# KiCad board BUDDY_v1.0.0.kicad_pcb (continued)
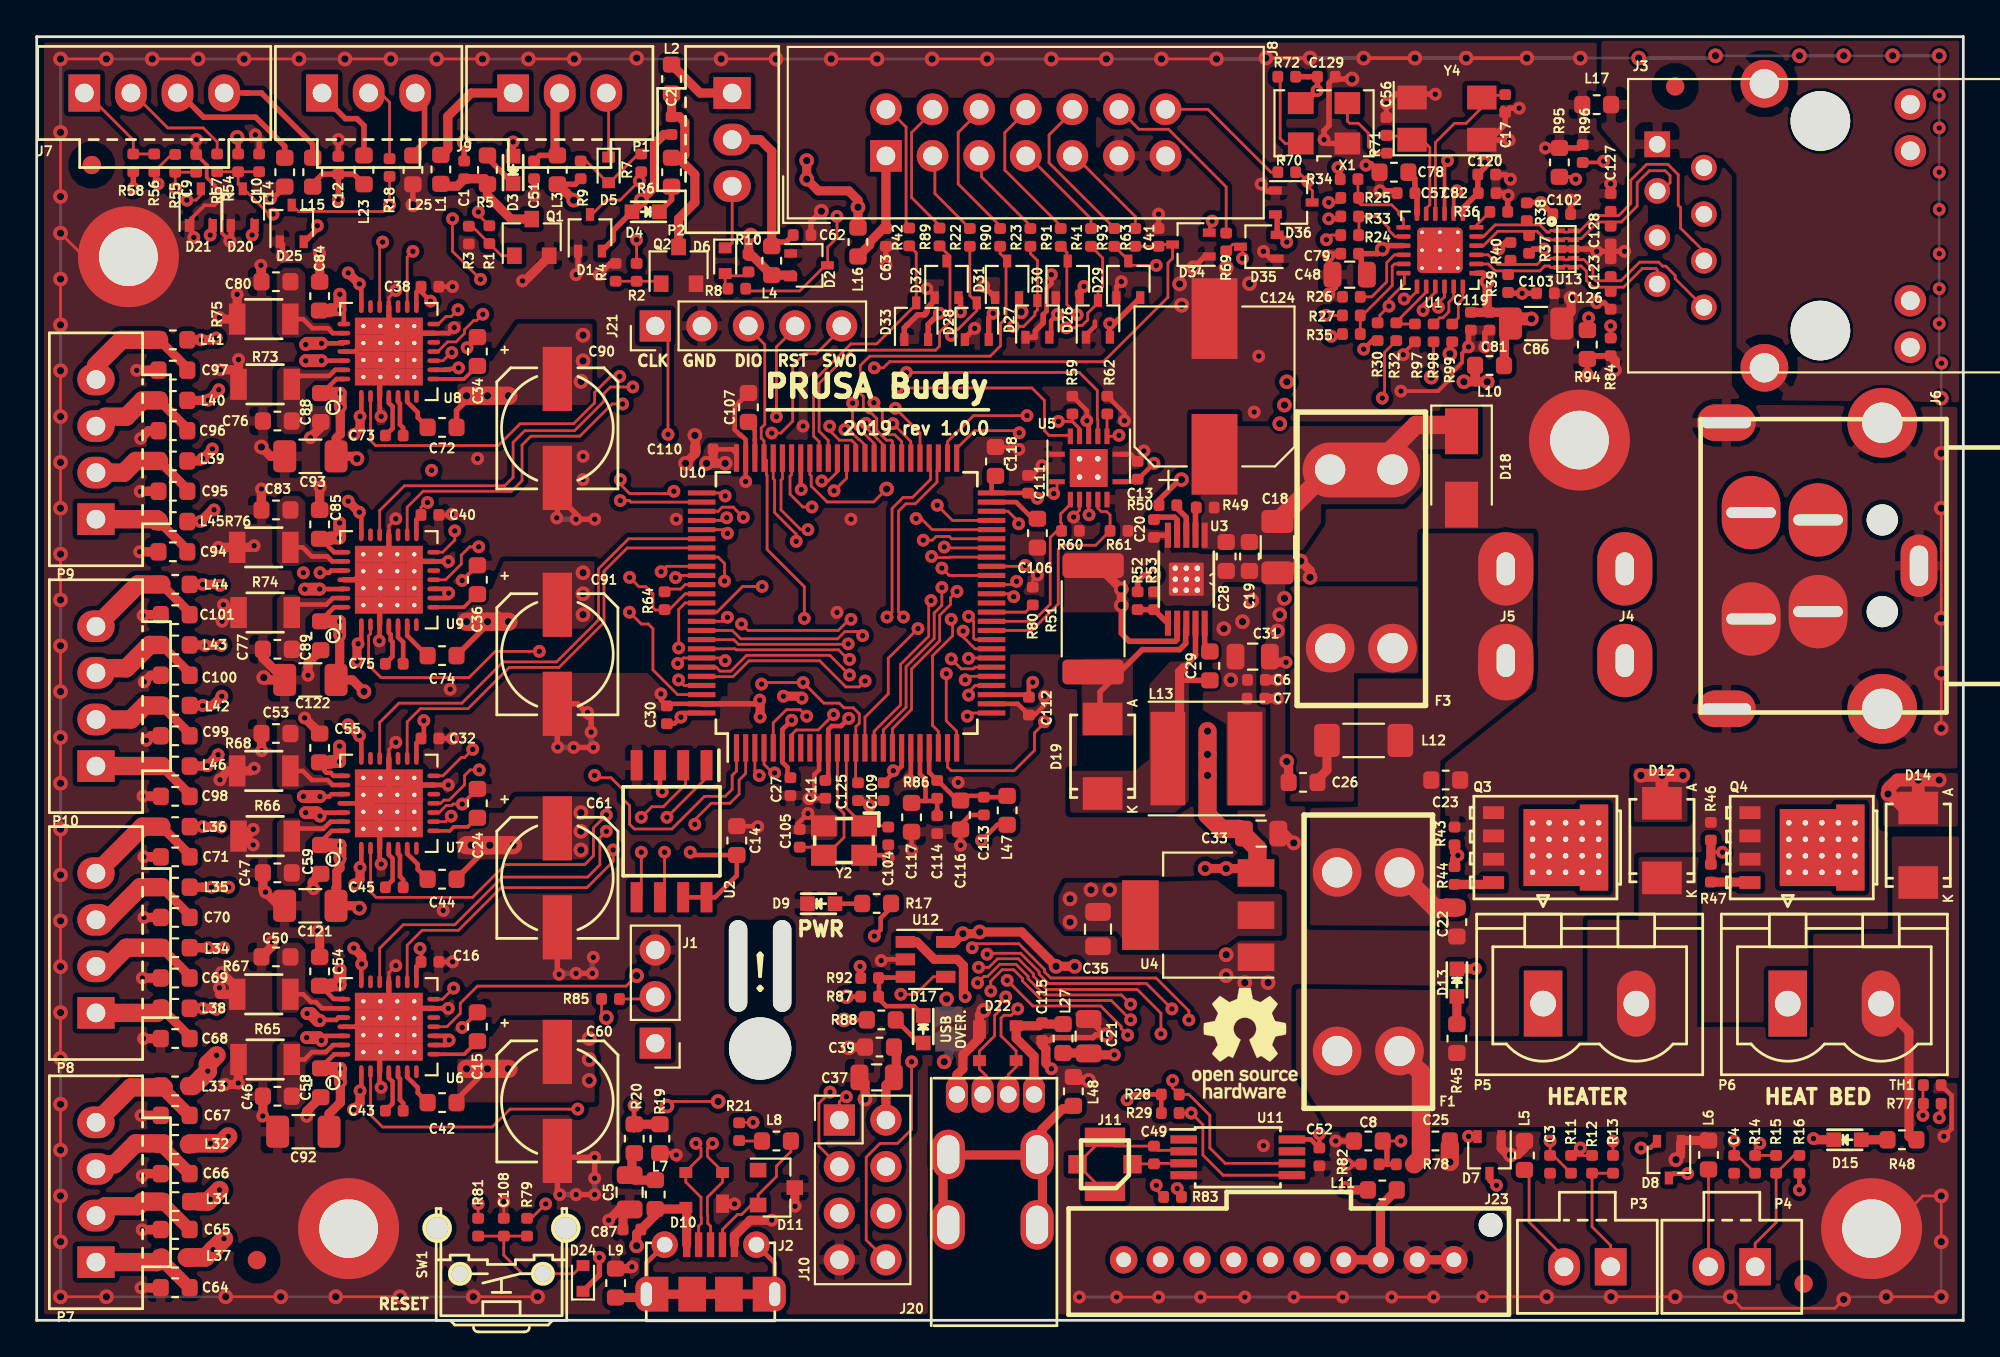
[diagram p0: board, top side]
## Routing (per net, layer and track width the routed paths; a pad name or vN(x,y) marks a point on that pad's centre or on a via; arc(x,y) is an arc through that point) (continued)
  In4.Cu w0.15: v2(56.1,54.12) 53.99,54.12 53.5,53.62 51.89,53.62 49.77,51.51 49.77,50.67 49.33,50.23 49.33,48.18 48.5,47.35 48.5,43.81 49.46,42.85 v2(49.46,42.17)
/PERIPHERALS/MISO2: length 43.7
  Top w0.15: v2(49.33,39.96) 49.33,38.99 48.91,38.57 48.91,37.18 47.38,35.65 47.38,33.44 46.14,32.19 U10.17 ; R69.1 65.18,58.67 65.72,58.67 v2(65.72,57.91)
  In4.Cu w0.15: v2(49.33,39.96) 50.13,40.76 50.13,42.93 49.93,43.13 49.93,49.98 50.37,50.42 50.37,51.26 52.14,53.02 53.75,53.02 53.96,53.24 58.31,53.24 60.38,55.31 60.38,57.91 60.73,58.26 65.37,58.26 v2(65.72,57.91)
/PERIPHERALS/MOSI2: length 38.8
  Top w0.15: R93.1 59.49,57.81 59.49,57.55 59.51,57.53 v2(61.02,57.53) ; U10.18 46.64,32.27 47.68,33.31 47.68,35.52 49.21,37.05 49.21,38.45 49.8,39.04 49.8,39.4 v2(50.15,39.75)
  In4.Cu w0.15: v2(61.02,57.53) 60.76,57.28 60.76,55.26 58.44,52.94 54.08,52.94 53.87,52.72 52.26,52.72 50.67,51.13 50.67,50.3 50.23,49.86 50.23,43.25 50.43,43.05 50.43,40.52 50.15,40.24 v2(50.15,39.75)
/POWER/BED_MON: length 50.2
  Top w0.15: v2(50.72,32.95) 50.89,33.12 U10.26 ; v2(74.35,9.78) C8.1
  Top w0.3: C8.1 73.59,9.55 73.59,8.51 ; 74.1,8.51 R82.1
  In4.Cu w0.15: v2(74.35,9.78) 75.98,11.41 75.98,25.8 74.86,26.92 56.44,26.92 53.49,29.88 53.49,30.93 51.47,32.95 v2(50.72,32.95)
/Trinamic driver/E-Diag: length 24.1
  Top w0.15: v2(31.81,44.7) 32.3,44.7 32.38,44.62 U10.77 ; U8.11 21.87,52.83 22.39,53.35 22.86,53.35 23.32,53.82 23.32,54.02 23.81,54.51 23.96,54.51 v2(24.31,54.86)
  In4.Cu w0.15: v2(31.81,44.7) 27.87,44.7 26.65,45.93 26.65,53.29 25.08,54.86 v2(24.31,54.86)
/Trinamic driver/E-DIR: length 41.2
  Top w0.15: U10.55 48.14,48.39 v2(46.8,49.73) ; U8.19 18.69,58.64 v2(18.85,58.8)
  In4.Cu w0.15: v2(46.8,49.73) 46.5,50.03 46.5,50.44 46.27,50.67 46.27,51.29 46.52,51.54 46.52,53.65 42.17,58 21.9,58 20.75,59.15 19.2,59.15 v2(18.85,58.8)
/Trinamic driver/E-EN: length 36.7
  Top w0.15: v2(45.63,50.04) 46.08,49.59 46.08,48.65 46.44,48.29 46.76,48.29 47.14,47.92 U10.57 ; v2(31.78,51.47) 31.28,51.47 30.41,50.6 30.41,50.04 29.27,48.89 26.34,48.89 25.15,47.7 18.47,47.7 18.2,47.97 18.2,49.88 18.19,49.88 U8.2
  In4.Cu w0.15: v2(31.78,51.47) 32.13,51.82 44.06,51.82 45.63,50.25 v2(45.63,50.04)
/Trinamic driver/E-Step: length 38.1
  Top w0.15: U10.56 47.64,47.92 46.66,48.9 v2(46.66,48.9) ; v2(20.5,58.29) 20.19,57.98 U8.16
  In4.Cu w0.15: v2(46.66,48.9) 46.2,49.35 46.2,50.32 45.97,50.55 45.97,51.41 46.22,51.67 46.22,53.53 42.05,57.7 21.09,57.7 v2(20.5,58.29)
/Trinamic driver/MOT-UART: length 66
  Top w0.15: v2(23.76,31.13) 23.32,30.69 23.14,30.69 22.14,29.69 U7.14 ; v2(22.96,55.1) 22.59,54.73 22.3,54.73 21.9,54.33 U8.14 ; v2(22.78,43.05) 22.78,42.55 22.12,41.88 U9.14 ; U10.87 35.34,39.62 34.46,38.73 33.71,38.73 33.58,38.86 33.58,39.62 33.2,40 32.82,40 v2(32.31,40.51) ; U6.14 22.12,17.51 v2(22.72,18.11)
  In4.Cu w0.15: 25.67,44.52 25.67,44.36 27.15,42.88 29.94,42.88 v2(32.31,40.51) ; 25.67,44.52 24,44.52 23.03,43.55 23.03,43.3 v2(22.79,43.05) 22.78,42.56 23.02,42.32 23.02,41.55 23.76,40.81 23.76,39.84 22.79,38.86 22.79,36.58 23.76,35.6 v2(23.76,31.13) 23.41,30.78 23.41,29.9 23.76,29.55 23.76,27.81 22.42,26.46 22.42,25.48 23.76,24.13 23.76,19.16 v2(22.72,18.11) ; 25.67,44.52 26.34,45.19 26.34,52.83 24.95,54.23 23.84,54.23 v2(22.96,55.1)
BED-HEAT-5V: length 53.3
  Top w0.15: U5.11 57.33,43.95 v2(57.35,43.93) ; v2(91.88,25.53) 91.24,25.53
  Top w0.5: R46.1 R47.1
  In4.Cu w0.15: v2(57.35,43.93) 57.35,29.7 58.48,28.57 88.83,28.57 v2(91.88,25.53)
FAN-0-5V: length 42.4
  Top w0.15: v2(47.4,51.69) 56.82,51.69 57.8,50.71 57.8,49.12 57.83,49.09 U5.3 ; 24.87,59.67 24.69,59.67 ; R1.1 24.07,60.29
  In4.Cu w0.15: v2(24.07,60.44) 24.7,59.81 41.22,59.81 47.4,53.62 v2(47.4,51.69)
FAN-1-5V: length 32
  Top w0.15: v2(46.92,50.84) 54.24,50.84 54.92,50.16 54.92,48.51 55.17,48.26 56.32,48.26 ; v2(32.7,58.93) 32.7,58.43 32.69,58.43 R2.1
  In4.Cu w0.15: v2(46.92,50.84) 46.92,51.34 46.82,51.43 46.82,53.77 42.3,58.3 33.32,58.3 v2(32.7,58.93)
HEAT-0-5V: length 43.9
  Top w0.15: v2(55.43,45.08) 55.61,45.26 U5.8
  Top w0.5: R44.1 77.27,25.15 77.48,25.35 v2(77.45,25.35) 77.27,25.53 R43.1
  In4.Cu w0.15: v2(55.43,45.08) 55.17,44.83 55.17,40 53.27,38.1 53.27,32.85 54.69,31.43 54.69,30.37 56.87,28.19 76,28.19 77.45,26.74 v2(77.45,25.35)
USB-FS_N: length 48.1
  Top w0.15: v2(35.93,9.65) 36.2,9.38 36.2,8.94 35.38,8.11 D10.3 35.38,7.54 36.2,6.71 36.2,5.61 36.22,5.59 36.22,5.29 36.07,5.14 J2.2 ; U10.70 40.64,45.89 40.57,45.82 40.57,44.19 41.64,43.12 v2(42.03,43.12)
  In4.Cu w0.15: v2(42.03,43.12) 41.14,43.12 40.52,42.5 40.52,37.54 36.97,33.98 36.97,22.8 36.46,22.3 36.46,14.8 35.69,14.04 35.69,10.59 36.2,10.09 36.2,9.93 v2(35.93,9.65)
USB-FS_P: length 47.1
  Top w0.15: v2(41.39,42.48) 41.39,42.87 40.22,44.05 40.22,45.82 40.14,45.89 U10.71 ; v2(36.83,9.65) 36.55,9.38 36.55,8.94 37.38,8.11 D10.2 37.38,7.54 36.55,6.71 36.55,5.75 36.57,5.73 36.57,5.29 36.72,5.14 J2.3
  In4.Cu w0.15: v2(36.83,9.65) 36.55,9.93 36.55,10.23 36.05,10.74 36.05,13.9 36.81,14.66 36.81,22.15 37.31,22.66 37.31,33.84 40.87,37.39 40.87,42.34 41.08,42.54 41.33,42.54 v2(41.39,42.48)
USB-HS_N: length 41.8
  Top w0.15: 52.95,12.51 J20.2 52.95,13.4 53.38,13.83 D22.3 53.38,14.69 52.56,15.51 52.56,16.48 52.71,16.63 53.12,16.63 v2(53.47,16.98) ; v2(47.24,38.35) 46.97,38.63 46.97,44.12 47.37,44.53 47.88,44.53 49.07,45.71 49.07,46.33 49.14,46.41 U10.53
  In4.Cu w0.15: v2(47.24,38.35) 46.97,38.08 46.97,37.28 48.11,36.14 48.11,34.49 50.29,32.3 51.69,32.3 53.19,30.81 53.19,29.66 54.46,28.39 54.46,18.33 53.47,17.34 v2(53.47,16.98)
USB-HS_P: length 41.8
  Top w0.15: 51.75,13.33 51.75,12.51 J20.3 ; 51.75,13.33 51.38,13.7 D22.2 51.38,14.69 52.21,15.51 52.21,16.62 52.46,16.88 52.46,17.28 v2(52.81,17.63) ; 51.75,13.33 51.75,13.21 ; v2(46.34,38.35) 46.62,38.63 46.62,44.27 47.23,44.88 47.74,44.88 48.72,45.86 48.72,46.33 48.64,46.41 U10.54
  In4.Cu w0.15: v2(52.81,17.63) 52.96,17.78 53.4,17.78 54.11,18.49 54.11,28.25 52.84,29.52 52.84,30.66 51.55,31.95 50.15,31.95 47.76,34.34 47.76,35.99 46.62,37.14 46.62,38.08 v2(46.34,38.35)
Net-(C1-Pad1): length 6.7
  Top w0.5: 24.69,61.74 24.69,61.97 24.42,62.25 23.32,62.25 22.92,61.85 22.03,61.85 ; R5.1 24.57,61.34 25.85,60.05 Q1.3
Net-(C2-Pad1): length 10.8
  Top w0.5: L2.1 C2.1 35.02,65.63 35.32,65.33 35.32,63.54 35.18,63.4 R6.1 34.63,63.37 34.98,63.37 35.87,62.48 35.87,60.96 34.98,60.07 34.98,58.42
Net-(C5-Pad1): length 2.8
  Top w0.5: 32.44,9.12 32.44,8.05 C5.1 32.59,7.64 L7.1
Net-(C15-Pad2): length 2.7
  Top w0.2: C15.2 23.3,14.51 22.19,14.51 22.19,14.51 U6.8
Net-(C17-Pad1): length 9.2
  Top w0.15: 78.76,66.62 78.76,66.13 77.91,65.28 77.27,65.28 76.23,64.23 U1.4 ; 80.19,66.8 79,66.8 78.79,66.59
Net-(C20-Pad1): length 2
  Top w0.3: 62.15,42.81 62.15,43.65 62,43.8 61.06,43.8 61.05,43.81
Net-(C21-Pad1): length 18.8
  Top w0.5: L27.1 57.31,14.58 C21.1 57.41,14.48 v2(58.73,14.48) ; 47.34,20.63 47.97,20.63 48.92,19.68 50.17,19.68 50.51,19.35 50.51,17.75 v2(50.6,17.65)
  In4.Cu w0.5: v2(50.6,17.65) 50.6,15.87 52,14.48 v2(58.73,14.48)
Net-(C24-Pad2): length 2.7
  Top w0.2: 23.98,27.4 23.49,26.91 22.73,26.91 22.51,26.69 21.61,26.69
Net-(C26-Pad1): length 2.4
  Top w0.5: L12.2 70.32,30 69.78,29.46
Net-(C29-Pad1): length 1.7
  Top w0.3: C29.1 63.65,36.76 U3.10
Net-(C29-Pad2): length 9.6
  Top w0.3: 62.5,35.59 63.15,36.24 U3.9 ; C29.2 62.39,34.9 62.29,34.8
  Top w0.5: 61.95,30.63 62.29,30.97 62.29,35.37 62.5,35.59
Net-(C34-Pad2): length 2.7
  Top w0.2: 24,52.04 23.29,51.33 22.18,51.33 22.18,51.33 21.63,51.33
Net-(C36-Pad2): length 2.7
  Top w0.2: 21.62,38.89 22.17,38.89 22.17,38.88 23.28,38.88 23.99,39.6
Net-(C42-Pad2): length 2.1
  Top w0.25: U6.6 20.19,13.27 20.77,12.69 20.77,12.41 C42.2
Net-(C43-Pad1): length 2.4
  Top w0.25: U6.4 19.19,13.21 19.4,13 19.4,11.82 C43.1
Net-(C43-Pad2): length 2.2
  Top w0.25: C43.2 19.97,11.85 19.8,12.02 19.8,13.17 19.69,13.27 U6.5
Net-(C44-Pad2): length 2.1
  Top w0.25: 20.19,25.74 20.19,25.45 20.77,24.87 20.77,24.59 21.31,24.05
Net-(C45-Pad1): length 2.4
  Top w0.25: 19,23.61 19.4,24 19.4,25.18 19.19,25.39 19.19,25.74
Net-(C45-Pad2): length 2.2
  Top w0.25: 19.97,23.61 19.97,24.03 19.8,24.2 19.8,25.35 19.69,25.45 19.69,25.74
Net-(C46-Pad1): length 3.2
  Top w0.25: R65.2 14.6,14.22 15,14.63 15.77,14.63 16.15,15.01 U6.27
Net-(C47-Pad1): length 3.2
  Top w0.25: 16.72,27.19 16.01,27.19 15.64,26.82 14.29,26.82 13.88,26.4
Net-(C49-Pad1): length 8.2
  Top w0.15: 56.47,8.48 56.47,8.51 ; 62.51,9.21 62.46,9.27 61.12,9.27 C49.1 ; 56.82,8.51 56.82,8.89 ; 57.08,8.89 58.17,9.98 ; 61.14,9.5 58.7,9.5 ; 58.17,7.03 56.72,8.48
Net-(C49-Pad2): length 3.1
  Top w0.15: C49.2 60.92,8.56 62.51,8.56 62.46,8.51 ; 59.49,8.53 59.47,8.51 ; 61.14,8.53 59.75,8.53
Net-(C50-Pad1): length 3.2
  Top w0.25: R67.2 14.53,17.78 14.95,17.36 15.21,17.36 15.55,17.01 U6.23
Net-(C51-Pad1): length 4.9
  Top w0.3: L3.2 27.41,63.52 C51.1
  Top w0.5: 28.25,63.52 28.25,66.67 P1.2
Net-(C53-Pad1): length 3.2
  Top w0.25: 16.72,29.19 16.12,29.19 15.85,29.46 15,29.46 14.5,29.96 13.81,29.96
Net-(C56-Pad1): length 7.7
  Top w0.15: 73.56,64.58 74.95,64.58 74.96,64.57 ; 74.32,64.08 74.81,64.57 74.96,64.57 ; 74.96,64.57 75.58,64.57 ; 74.96,64.32 75.56,64.32 75.93,63.96 75.93,60.84 75.75,60.66 75.75,60.36 U1.5 ; 73.55,64.62 C56.1
Net-(C57-Pad1): length 2.7
  Top w0.3: C78.1 75.11,62.25 C57.1 75.23,61.35 U1.6 75.23,60.59
Net-(C62-Pad1): length 8.9
  Top w0.3: L4.2 40.21,58.57 40.44,58.8 40.85,58.8 C62.1
  Top w0.5: 38.03,64.39 39.43,64.39 40.06,63.75 L4.2
Net-(C63-Pad1): length 6.3
  Top w0.5: C63.1 46.13,59.54 45.4,58.8 45.4,58.65 L16.2 ; 46.28,63.75 46.28,59.67
Net-(C64-Pad2): length 5.9
  Top w0.7: C64.2 6.8,3.32 6.8,3.39
  Top w1: P7.1 6.55,3.17 6.8,3.43
Net-(C65-Pad2): length 6
  Top w0.7: C65.2 6.82,6.47 6.82,6.47
  Top w1: 6.8,6.48 5.77,6.48 5.52,6.22 3.74,6.22 P7.2
Net-(C66-Pad2): length 6.5
  Top w0.7: C66.2 6.8,9.54 6.8,9.59
  Top w1: 6.93,9.65 5.39,9.65 4.25,8.51 3.48,8.51 P7.3
Net-(C67-Pad2): length 6.7
  Top w0.7: 6.8,12.78 6.8,12.72 C67.2
  Top w1: 6.93,12.7 5.14,12.7 P7.4
Net-(C68-Pad2): length 6
  Top w0.5: 6.8,17.02 8.34,15.48 C68.2
  Top w1: P8.1 6.55,16.76 6.8,17.02
Net-(C69-Pad2): length 6.3
  Top w0.5: 6.8,20.32 8.34,18.78 C69.2
  Top w1: P8.2 3.87,19.3 4.88,20.32 6.8,20.32
Net-(C70-Pad2): length 6.6
  Top w0.5: C70.2 8.34,22.08 6.8,23.62
  Top w1: 6.8,23.62 5.64,23.62 3.87,21.84 P8.3
Net-(C71-Pad2): length 6.9
  Top w0.5: 6.8,26.92 8.34,25.39 C71.2
  Top w1: P8.4 5.77,26.92 6.8,26.92
Net-(C72-Pad2): length 2.1
  Top w0.25: U8.6 20.19,50.09 20.77,49.51 20.77,49.23 C72.2
Net-(C73-Pad1): length 2.4
  Top w0.25: C73.1 19.4,48.64 19.4,49.82 19.19,50.03 U8.4
Net-(C73-Pad2): length 2.2
  Top w0.25: C73.2 19.97,48.67 19.8,48.84 19.8,49.99 19.69,50.09 U8.5
Net-(C74-Pad2): length 2.2
  Top w0.25: 21.31,36.25 21.27,36.25 20.19,37.33 U9.6
Net-(C75-Pad1): length 2.4
  Top w0.25: 19,35.81 19.39,36.2 19.39,36.99 19.29,37.09 19.29,37.41 19.19,37.5 U9.4
Net-(C75-Pad2): length 2.5
  Top w0.25: C75.2 19.97,36.98 19.69,37.26 U9.5 ; 19.79,35.99 19.97,35.81
Net-(C76-Pad1): length 3.2
  Top w0.25: 13.89,51.04 14.35,51.5 15.94,51.5 16.27,51.83 16.74,51.83
Net-(C77-Pad1): length 3.2
  Top w0.25: 16.71,39.39 16.14,39.39 15.79,39.04 14.3,39.04 13.86,38.6
Net-(C80-Pad1): length 3.2
  Top w0.25: 16.74,53.83 16.14,53.83 15.87,54.1 15.02,54.1 14.52,54.6 13.82,54.6
Net-(C83-Pad1): length 3.2
  Top w0.25: 13.79,42.15 14.49,42.15 14.99,41.66 15.84,41.66 16.11,41.39 16.71,41.39
Net-(C87-Pad1): length 31.2
  Top w0.5: J2.1 35.42,6.11 D10.4 35.29,6.07 L7.2 33.71,5.74 C87.1 32.69,4.72 v1(32.69,4.06)
  In4.Cu w0.5: v1(49.46,14.1) 49.46,13.53 48.17,12.24 48.17,8.42 46.88,7.13 35.2,7.13 32.69,4.63 v1(32.69,4.06)
  Bottom w0.5: JP1.1 49.71,14.35 v1(49.46,14.1)
Net-(C94-Pad2): length 5.8
  Top w0.5: 6.67,43.56 8.21,42.02 C94.2
  Top w1: 6.67,43.56 6.55,43.69 P9.1
Net-(C95-Pad2): length 6
  Top w0.5: C95.2 8.21,45.32 6.67,46.86
  Top w1: P9.2 4.75,46.23 5.39,46.86 6.67,46.86
Net-(C96-Pad2): length 6.3
  Top w0.5: C96.2 8.21,48.63 6.67,50.16
  Top w1: 6.67,50.16 5.77,50.16 4.88,49.27 3.74,49.27 P9.3
Net-(C97-Pad2): length 6.3
  Top w0.5: 6.67,53.47 8.21,51.93 C97.2
  Top w1: 3.23,52.07 4.63,53.47 6.67,53.47
Net-(C98-Pad2): length 5.9
  Top w0.5: C98.2 8.34,28.69 6.8,30.22
  Top w1: P10.1 6.8,30.22
Net-(C99-Pad2): length 6.2
  Top w0.5: 6.8,33.53 8.34,31.99 C99.2
  Top w1: P10.2 5.14,32.77 5.9,33.53 6.8,33.53
Net-(C100-Pad2): length 6.5
  Top w0.5: 6.8,36.83 8.34,35.29 C100.2
  Top w1: P10.3 3.48,35.56 4.88,35.56 6.15,36.83 6.8,36.83
Net-(C101-Pad2): length 6.8
  Top w0.5: C101.2 8.34,38.59 6.8,40.13
  Top w1: P10.4 5.52,40.13 6.8,40.13
Net-(C102-Pad1): length 33
  Top w0.3: R37.1 81.57,58.42 v2(82.17,58.42) ; v2(79.69,58.42) 80.04,58.78 R40.1 ; R39.1 80.24,56.01 v2(80.96,56.01) C103.1 ; C102.1 81.99,60.96 v2(81.97,60.96) 81.23,60.96 R38.1 ; U1.1 77.73,60.65 78.54,61.47 C120.1 78.92,62.86 v2(78.92,63.15) ; U1.19 78.84,57.1 78.92,57.02 78.92,56.77 v1(79.05,56.64) ; 80.19,54.74 80.32,54.61 80.06,54.35
  Top w0.5: C81.1 79.05,55.09 v1(79.05,56.64) ; C81.1 80.29,54.97 ; C81.1 C119.1 ; 80.19,54.35 79.99,54.15 79.99,51.94 ; 80.29,54.33 C86.1
  Top w0.7: v1(81.46,54.61) 80.57,54.61 C86.1
  In4.Cu w0.7: 82.73,59.56 86.82,59.56 87.33,59.05 J3.4 89.59,60.32 J3.5 ; v2(78.92,63.15) 78.67,62.9 78.67,57.02 v1(79.05,56.64)
Net-(C104-Pad1): length 6.4
  Top w0.15: Y2.1 44.12,27.93 44.12,31.2 U10.13 ; 44.84,26.96 46.6,26.96
Net-(C105-Pad1): length 8.5
  Top w0.15: 41.33,25.8 42.71,25.8 ; 42.46,25.8 Y2.3 43.02,25.36 44,26.34 44,27.64 43.64,27.99 U10.12
Net-(C106-Pad1): length 2.6
  Top w0.25: 54.28,43.71 53.38,44.62 U10.49
Net-(C107-Pad1): length 2.4
  Top w0.25: U10.73 39.14,48.02 39.14,48.02 39.14,48.55 38.54,49.15
Net-(C108-Pad1): length 8.5
  Top w0.15: C108.1 25.46,3.55 26.47,2.54 SW1.1 29.27,2.54 29.71,2.98 D24.2 ; C108.1 24.19,4.59 ; C108.1 R79.1
Net-(C115-Pad1): length 7.3
  Top w0.5: J20.1 54.35,14.41 53.38,15.38 D22.4 54.62,16.06 C115.1 ; L27.2 54.97,16.15
  In4.Cu w0.5: J20.1 54.35,13.01
Net-(D3-Pad1): length 2.2
  Top w0.3: D3.1 24.57,63.38 R5.2 24.61,63.49
Net-(D4-Pad1): length 1.6
  Top w0.3: D4.1 34.6,61.11 R6.2
Net-(D5-Pad1): length 3.5
  Top w0.15: P1.3 31.17,66.8 D5.1
Net-(D5-Pad2): length 4.6
  Top w0.15: R9.1 29.94,63.22 31.12,62.04 D5.2 31.22,62.04 32.79,63.6 R7.2 32.78,63.6
Net-(D6-Pad1): length 4.5
  Top w0.15: 37.52,58.36 37.9,58.74 P2.3
  Top w0.5: 37.52,61.47 37.52,62.33
Net-(D6-Pad2): length 2.4
  Top w0.15: 37.67,56.13 37.52,56.28 37.52,56.96 38.7,56.96 38.79,57.05 39.05,57.05
Net-(D7-Pad3): length 9
  Top w0.15: R11.1 R12.2
  Top w0.25: 79.18,8.13 79.18,7.62 79.43,7.36 v2(79.56,7.36) ; R11.1 84.03,9.4 v2(84.13,9.4)
  In4.Cu w0.25: v2(84.13,9.4) 84.13,8 83.5,7.36 v2(79.56,7.36)
Net-(D8-Pad3): length 8.5
  Top w0.15: R15.2 R14.1 93.66,9.4 v2(93.91,9.65) ; 89.83,8.14 v2(89.97,8)
  Top w0.25: 88.96,7.75 89.21,8 v2(89.97,8)
  In4.Cu w0.25: 90.09,7.87 93.27,7.87 93.91,8.51 v2(93.91,9.65)
Net-(D9-Pad2): length 1.4
  Top w0.25: D9.2 44.9,22.72
Net-(D11-Pad2): length 7.2
  Top w0.15: 38.93,6.29 38.42,5.77 38.2,5.77 37.37,4.95 J2.4 ; L8.2 41.1,9.2 40.31,8.42 40.31,7.84 39.31,6.84 D11.2
Net-(D12-Pad2): length 12.1
  Top w0.5: 84.75,25.9 Q3.3 ; D13.1 78.4,19.16
  Top w0.7: v1(88.57,29.72) v1(87.43,29.72) ; v1(88.57,29.72) v1(89.72,29.72) ; v1(88.57,29.72) D12.2
  Top w1.5: Q3.3 Q3.3
  In4.Cu w0.5: P5.1 82.1,18.02 80.94,19.18 v2(78.41,19.18)
Net-(D13-Pad2): length 1.3
  Top w0.5: 77.4,17.52 77.4,16.22
Net-(D14-Pad2): length 19.9
  Top w0.5: v2(96.83,9.91) 96.9,9.84 D15.1 ; 97.2,26.33 96.65,25.78
  Top w0.7: 101.78,27.94 101.02,28.7 v1(100.89,28.7) 100.89,28.95 101.4,29.46 v1(102.55,29.46) ; v1(102.55,29.46) v1(103.69,29.46) ; v1(102.55,29.46) D14.2
  Top w1.5: 96.65,25.78 Q4.3
  Top w3: 97.03,26.16 96.65,25.78
  In4.Cu w0.5: v2(96.83,9.91) 96.83,17.42 96.83,17.42 ; 95.43,18.29 95.94,18.29 96.83,17.4
Net-(D15-Pad2): length 1.4
  Top w0.5: D15.2 100.87,9.84
Net-(D17-Pad1): length 6.2
  Top w0.25: D17.1 47.81,17.13 46.3,17.13 45.9,17.52 45.9,18.54 46.05,18.69 46.41,18.69 ; 47.14,18.73 47.34,18.73 47.3,18.69 46.41,18.69 ; 45.78,18.69 46.41,18.69
Net-(D17-Pad2): length 2
  Top w0.25: D17.2 48.07,15.12 R88.2
Net-(D19-Pad2): length 8.4
  Top w0.3: 57.96,32.79 57.96,34.28 60.25,36.58 62.29,36.58 62.62,36.91 62.62,37.71 62.65,37.75 U3.8
Net-(D21-Pad3): length 5.2
  Top w0.15: v2(6.61,61.98) 6.41,62.18 R56.2 7.35,63.58 R55.1 ; 8.95,61.35 8.68,61.09 v2(8.18,61.09)
  In4.Cu w0.15: v2(8.18,61.09) 7.32,61.09 6.96,61.45 6.96,61.63 v2(6.61,61.98)
Net-(J1-Pad2): length 2
  Top w0.15: R85.1 33.58,17.52 J1.2
Net-(J2-Pad6): length 15.1
  Top w0.25: 40.3,1.5 J2.6 40.22,3.12 J2.6 ; J2.6 33.22,3.12 J2.6
  Top w0.5: J2.6 J2.6 J2.6 J2.6 J2.6 J2.6 33.04,1.24 L9.2
Net-(J3-Pad10): length 20.7
  Top w0.2: R94.2 84.51,54.6 v2(84.58,54.67)
  In4.Cu w0.2: 102.11,55.6 101.1,56.61 95.92,56.61 92.65,53.34 88.18,53.34 86.69,54.83 85.23,54.83 85.07,54.67 v2(84.58,54.67)
Net-(J3-Pad11): length 22.6
  Top w0.2: v2(83.88,62.23) 83.75,62.36 R95.1
  In4.Cu w0.2: v2(83.88,62.23) 84.23,62.58 85.88,62.58 86.54,63.24 86.54,64.2 87.75,65.4 92.91,65.4 95.54,62.77 101.1,62.77 102.11,63.77
Net-(J3-Pad13): length 0.9
  Top w0.5: 93.12,52.17 94.03,52.17
Net-(J7-Pad1): length 5.5
  Top w0.15: R56.1 R58.2 5.26,64.36 2.85,66.78 2.85,66.93
Net-(J7-Pad2): length 6.3
  Top w0.15: R57.1 9.84,64.26 9.07,65.02 7.14,65.02 5.39,66.78 5.39,66.93
Net-(J7-Pad3): length 7.5
  Top w0.3: 7.93,66.93 7.93,66.78 9.09,65.61 11.93,65.61 13.52,64.03 L14.2
Net-(J7-Pad4): length 7.5
  Top w0.15: 11.36,66.93 10.47,66.93
  Top w0.3: 10.47,66.93 11.51,66.93 ; 11.51,66.93 11.36,66.93 ; 11.51,66.93 12.25,66.93 15.04,64.13 L15.2
Net-(J8-Pad2): length 6.8
  Top w0.15: 46.41,66.04 47.38,65.07 47.38,59.88 47.55,59.7
Net-(J8-Pad3): length 4.7
  Top w0.15: 48.95,63.5 48.95,61.44 R22.1
Net-(J8-Pad4): length 7.5
  Top w0.15: 49.21,59.7 47.68,61.23 47.68,64.77 48.95,66.04
Net-(J8-Pad5): length 4.9
  Top w0.15: 54.16,59.69 51.49,62.36 51.49,63.5
Net-(J8-Pad6): length 7.8
  Top w0.15: 52.51,59.68 50.22,61.97 50.22,64.77 51.49,66.04
Net-(J8-Pad7): length 5.4
  Top w0.15: R41.1 57.46,60.07 54.03,63.5
Net-(J8-Pad8): length 8.1
  Top w0.15: 55.81,59.68 52.76,62.73 52.76,64.77 54.03,66.04
Net-(J8-Pad9): length 5.3
  Top w0.15: 56.57,63.5 59.87,60.2 R63.1
Net-(J8-Pad10): length 8.5
  Top w0.15: 58.73,59.56 55.17,63.12 55.17,64.64 56.57,66.04
Net-(J8-Pad12): length 10.1
  Top w0.15: R69.2 64.83,61.81 61.68,64.95 60.07,64.95 J8.12
Net-(J8-Pad14): length 7.5
  Top w0.15: J8.14 63.83,66.04 67.26,62.61 67.62,62.61
Net-(J9-Pad1): length 4.5
  Top w0.3: L23.2 17.84,65.15 17.45,65.53 16.82,65.53 16.19,66.17 16.19,66.93
Net-(J9-Pad2): length 3.8
  Top w0.15: 18.73,66.93 19.23,66.42 19.23,63.37
Net-(J9-Pad3): length 3.8
  Top w0.3: 21.27,66.93 21.14,66.8 21.14,64.26 20.38,63.5
Net-(J20-Pad5): length 15.2
  Top w0.5: 54.52,9.05 54.75,9.27 54.79,9.27 54.79,10.41 55.91,11.53 56.7,11.53 ; 54.81,9.04 54.81,5.71 ; 49.39,8.25 49.39,5.71 49.37,5.69 ; 54.81,9.02 49.39,9.02
Net-(J23-Pad7): length 6.2
  Top w0.5: L11.2 73.24,6.23 J23.8 J23.7
Net-(L1-Pad2): length 6.4
  Top w0.5: 22.03,63.5 22.41,63.88 22.41,65.66 23.68,66.93 P1.1
Net-(L2-Pad2): length 4.1
  Top w0.5: L2.2 36.15,66.93 38.03,66.93
Net-(L5-Pad2): length 6.2
  Top w0.15: L5.2 81.34,7.95 81.34,5.36 83.11,3.58 83.11,3.05 P3.2
Net-(L6-Pad2): length 5.3
  Top w0.15: L6.2 P4.2
Net-(L8-Pad1): length 1.3
  Top w0.15: R21.2 38.31,9.78 L8.1
Net-(L31-Pad1): length 15.3
  Top w0.25: U6.26 15.77,15.51 v2(15.52,15.26)
  Top w0.7: v2(15.52,15.26) 15.37,15.42 v2(14.71,15.42)
  Top w1: v2(9.96,7.11) 9.33,6.48 8.81,6.48
  In4.Cu w0.7: v2(15.52,15.26) 14.67,15.26 14.66,15.25
  In4.Cu w1: 14.66,15.25 14.66,12.52 13.71,11.58 13.71,10.86 v2(9.96,7.11) v2(9.46,6.61)
Net-(L32-Pad1): length 15.5
  Top w0.25: v2(15.44,16.36) 15.47,16.38 16.32,16.38 16.44,16.5 16.44,16.51 16.74,16.51 U6.24
  Top w0.7: v2(15.44,16.36) 15.32,16.36 14.95,16.73 v2(14.73,16.73)
  Top w1: 8.3,9.59 8.36,9.65 v2(9.46,9.65) 10.06,9.65 v2(10.44,10.03)
  In4.Cu w0.7: v2(15.44,16.36) 15.09,16.71 14,16.71 13.75,16.46
  In4.Cu w1: 13.75,16.46 12.82,15.53 12.82,13.35 10.79,11.32 10.79,10.38 v2(10.44,10.03) 10.44,10 10.09,9.65 v2(9.46,9.65)
Net-(L33-Pad1): length 16.5
  Top w0.25: v2(17.71,19.43) 17.69,19.41 U6.21
  Top w0.5: v2(17.71,19.43) 17.71,19.87 v2(17.28,20.3)
  Top w1: v2(9.8,14.45) 9.33,13.98 v2(9.33,13.59) 8.52,12.78 8.3,12.78
  In4.Cu w1: v2(17.71,19.43) 17.71,19.87 v2(17.28,20.3) 15.66,20.3 15.04,19.68 15.03,19.68 v2(9.8,14.45) 9.33,13.98 v2(9.33,13.59)
Net-(L34-Pad1): length 16.1
  Top w0.25: 16.72,27.69 16.72,27.69 15.62,27.69 v2(15.44,27.5)
  Top w0.5: 8.3,20.32 9.05,20.32 9.05,20.32 v2(9.34,20.32) v2(10.19,20.32)
  Top w0.7: v2(14.66,27.69) 15.26,27.69 v2(15.44,27.5)
  In4.Cu w0.7: v2(15.44,27.5) 15.26,27.69 v2(14.66,27.69) 14.44,27.69 14.13,27.38
  In4.Cu w1: v2(9.34,20.32) v2(10.19,20.32) 10.98,20.32 14.09,23.43 14.09,27.12 14.54,27.56 14.66,27.56
Net-(L35-Pad1): length 14
  Top w0.25: 16.72,28.69 16.06,28.69 15.93,28.56 v2(15.44,28.56)
  Top w0.5: 8.3,23.62 9.05,23.62 v2(9.53,23.62) v2(10.47,23.62)
  Top w0.7: v2(15.44,28.56) 14.55,28.56 v2(14.53,28.57)
  In4.Cu w0.7: 13.73,28.64 13.81,28.56 v2(15.44,28.56)
  In4.Cu w1: 13.73,28.64 12.8,27.71 12.8,25.09 11.33,23.62 9.5,23.62
Net-(L36-Pad1): length 14.9
  Top w0.25: 17.69,30.64 17.69,31.77 v2(17.59,31.88)
  Top w0.5: 8.3,26.92 v2(9.05,26.92) ; v2(9.05,26.92) 9.06,26.91 ; v2(9.05,26.92) 9.54,26.92 9.56,26.91 10.04,26.91 v2(10.05,26.9) ; v2(16.97,32.48) 17.57,31.88 v2(17.59,31.88)
  In4.Cu w1: 9.17,26.9 10.06,26.9 15.64,32.48 v2(16.97,32.48) 17.57,31.88 v2(17.59,31.88)
Net-(L37-Pad1): length 17.3
  Top w0.25: v2(17.62,12.52) 17.69,12.59 U6.1
  Top w0.5: v2(17.62,12.52) 17.62,11.85 v2(17.27,11.49)
  Top w1: v2(10.21,4.45) v2(9.62,3.85) 9.19,3.43 8.18,3.43 8.81,3.43
  In4.Cu w1: v2(9.62,3.85) 16.56,10.79 16.57,10.79 v2(17.27,11.49) 17.27,12.16 v2(17.62,12.52)
Net-(L38-Pad1): length 16.2
  Top w0.25: 17.69,25.74 17.69,24.77 v2(17.62,24.7)
  Top w0.5: v2(17.33,23.75) 17.62,24.04 v2(17.62,24.7) ; v2(9.79,16.96) 9.73,17.02 v2(9.05,17.02) 9.05,17.02 8.3,17.02
  In4.Cu w1: v2(17.62,24.7) 17.62,24.04 v2(17.33,23.75) 15.81,22.23 14.83,22.23 14.05,21.45 14.05,20.32 10.68,16.96 v2(9.79,16.96) 9.31,16.96
Net-(L39-Pad1): length 12.4
  Top w0.25: v2(15.52,52.33) 16.74,52.33 16.74,52.33
  Top w0.5: 8.17,46.86 8.92,46.86 v2(9.05,46.99) 9.4,47.34 9.4,47.34 v2(9.58,47.52)
  Top w0.7: v2(15.52,52.33) 14.67,52.33 v2(14.66,52.32)
  In4.Cu w0.7: 14.14,52.02 14.46,52.33 v2(15.52,52.33)
  In4.Cu w1: 9.13,47.02 14.13,52.02 14.14,52.02
Net-(L40-Pad1): length 11.6
  Top w0.25: 16.74,53.33 16.69,53.28 v2(15.52,53.28)
  Top w0.5: v2(9.92,50.75) 9.9,50.75 9.7,50.55 9.7,50.53 v2(9.36,50.18) 9.34,50.16 8.92,50.16 8.17,50.16
  Top w0.7: v2(14.66,53.21) 14.73,53.28 v2(15.52,53.28)
  In4.Cu w0.7: 13.74,53.28 v2(15.52,53.28)
  In4.Cu w1: v2(9.36,50.18) v2(9.92,50.75) 11.21,50.75 13.74,53.28
Net-(L41-Pad1): length 14
  Top w0.25: v2(17.59,56.52) 17.69,56.41 U8.21
  Top w0.5: v2(16.97,57.12) 17.57,56.52 v2(17.59,56.52) ; v2(9.78,53.57) 9.78,53.56 9.55,53.56 9.46,53.47 v2(8.97,53.47) 8.17,53.47
  In4.Cu w1: v2(17.59,56.52) 17.57,56.52 v2(16.97,57.12) 14.89,57.12 11.34,53.57 v2(9.78,53.57) 9.11,53.57
Net-(L42-Pad1): length 14
  Top w0.25: v2(15.42,39.88) 16.7,39.88 16.71,39.89
  Top w0.5: 9.08,33.49 v2(9.05,33.53) ; v2(9.05,33.53) 8.3,33.53 ; v2(9.05,33.53) 9.58,33.53 v2(10.09,34.03)
  Top w0.7: v2(15.42,39.88) 15.42,39.87 v2(14.61,39.87)
  In4.Cu w0.7: v2(15.42,39.88) 14.42,39.88 14.11,39.58
  In4.Cu w1: 9.14,33.49 9.55,33.49 v2(10.09,34.03) 10.09,34.53 14.11,38.56 14.11,39.58
Net-(L43-Pad1): length 11.5
  Top w0.25: 16.71,40.89 16.05,40.89 15.93,40.77 v2(15.44,40.77)
  Top w0.5: 8.3,36.83 9.05,36.83 9.05,36.83 9.16,36.83 v2(9.17,36.8) v2(10.06,36.8)
  In4.Cu w0.7: 13.64,40.77 v2(14.53,40.77) 15.43,40.77 v2(15.44,40.77)
  In4.Cu w1: 13.64,40.77 12.78,39.91 12.78,38.99 10.6,36.8 v2(9.17,36.8)
Net-(L44-Pad1): length 14.4
  Top w0.25: v2(17.59,44.07) 17.69,43.96 17.69,42.83
  Top w0.5: 8.3,40.13 v2(9.05,40.13) ; v2(9.05,40.13) 9.54,40.13 9.54,40.13 9.93,40.13 v2(9.98,40.08) ; v2(9.05,40.13) 9.08,40.1 ; v2(17.59,44.07) 17.57,44.07 v2(16.97,44.67)
  In4.Cu w1: v2(17.59,44.07) 17.57,44.07 v2(16.97,44.67) 16.31,44.67 15.96,44.31 15.34,44.31 11.11,40.08 v2(9.98,40.08) 9.27,40.08
Net-(L45-Pad1): length 15.3
  Top w0.25: v2(17.62,49.29) 17.69,49.36 U8.1
  Top w0.5: 8.17,43.56 v2(8.92,43.56) ; v2(8.92,43.56) 8.94,43.58 ; v2(8.92,43.56) 9.46,44.1 9.57,44.1 v2(9.67,44.19) ; v2(17.62,49.29) 17.62,48.64 v2(17.3,48.31)
  In4.Cu w1: v2(17.62,49.29) 17.62,48.64 v2(17.3,48.31) 16.74,48.31 14.79,46.35 11.82,46.35 v2(9.67,44.19) 9.08,43.61
Net-(L46-Pad1): length 15.7
  Top w0.25: v2(17.51,36.9) 17.69,37.07 U9.1
  Top w0.5: v2(17.45,35.94) 17.45,36.84 v2(17.51,36.9) ; 8.3,30.22 9.05,30.22 9.05,30.22 9.27,30.22 v2(9.29,30.24) 9.64,30.59 9.65,30.59 9.89,30.83 v2(9.89,30.84)
  In4.Cu w1: v2(9.29,30.24) v2(9.89,30.84) 13.1,34.05 16.06,34.05 17.45,35.45 v2(17.45,35.94) 17.45,36.84 v2(17.51,36.9)
